# Altium PCB 探测器.PcbDoc (part 3 of 4)
Units mil, origin at the board's own origin, x right, y up, seen from the top; angles counter-clockwise.
Board outline 3560.03 x 3943.03 mil, 2 copper layers (Top Layer, Bottom Layer); 122 components, 44 nets, 450 pads, 26 vias.
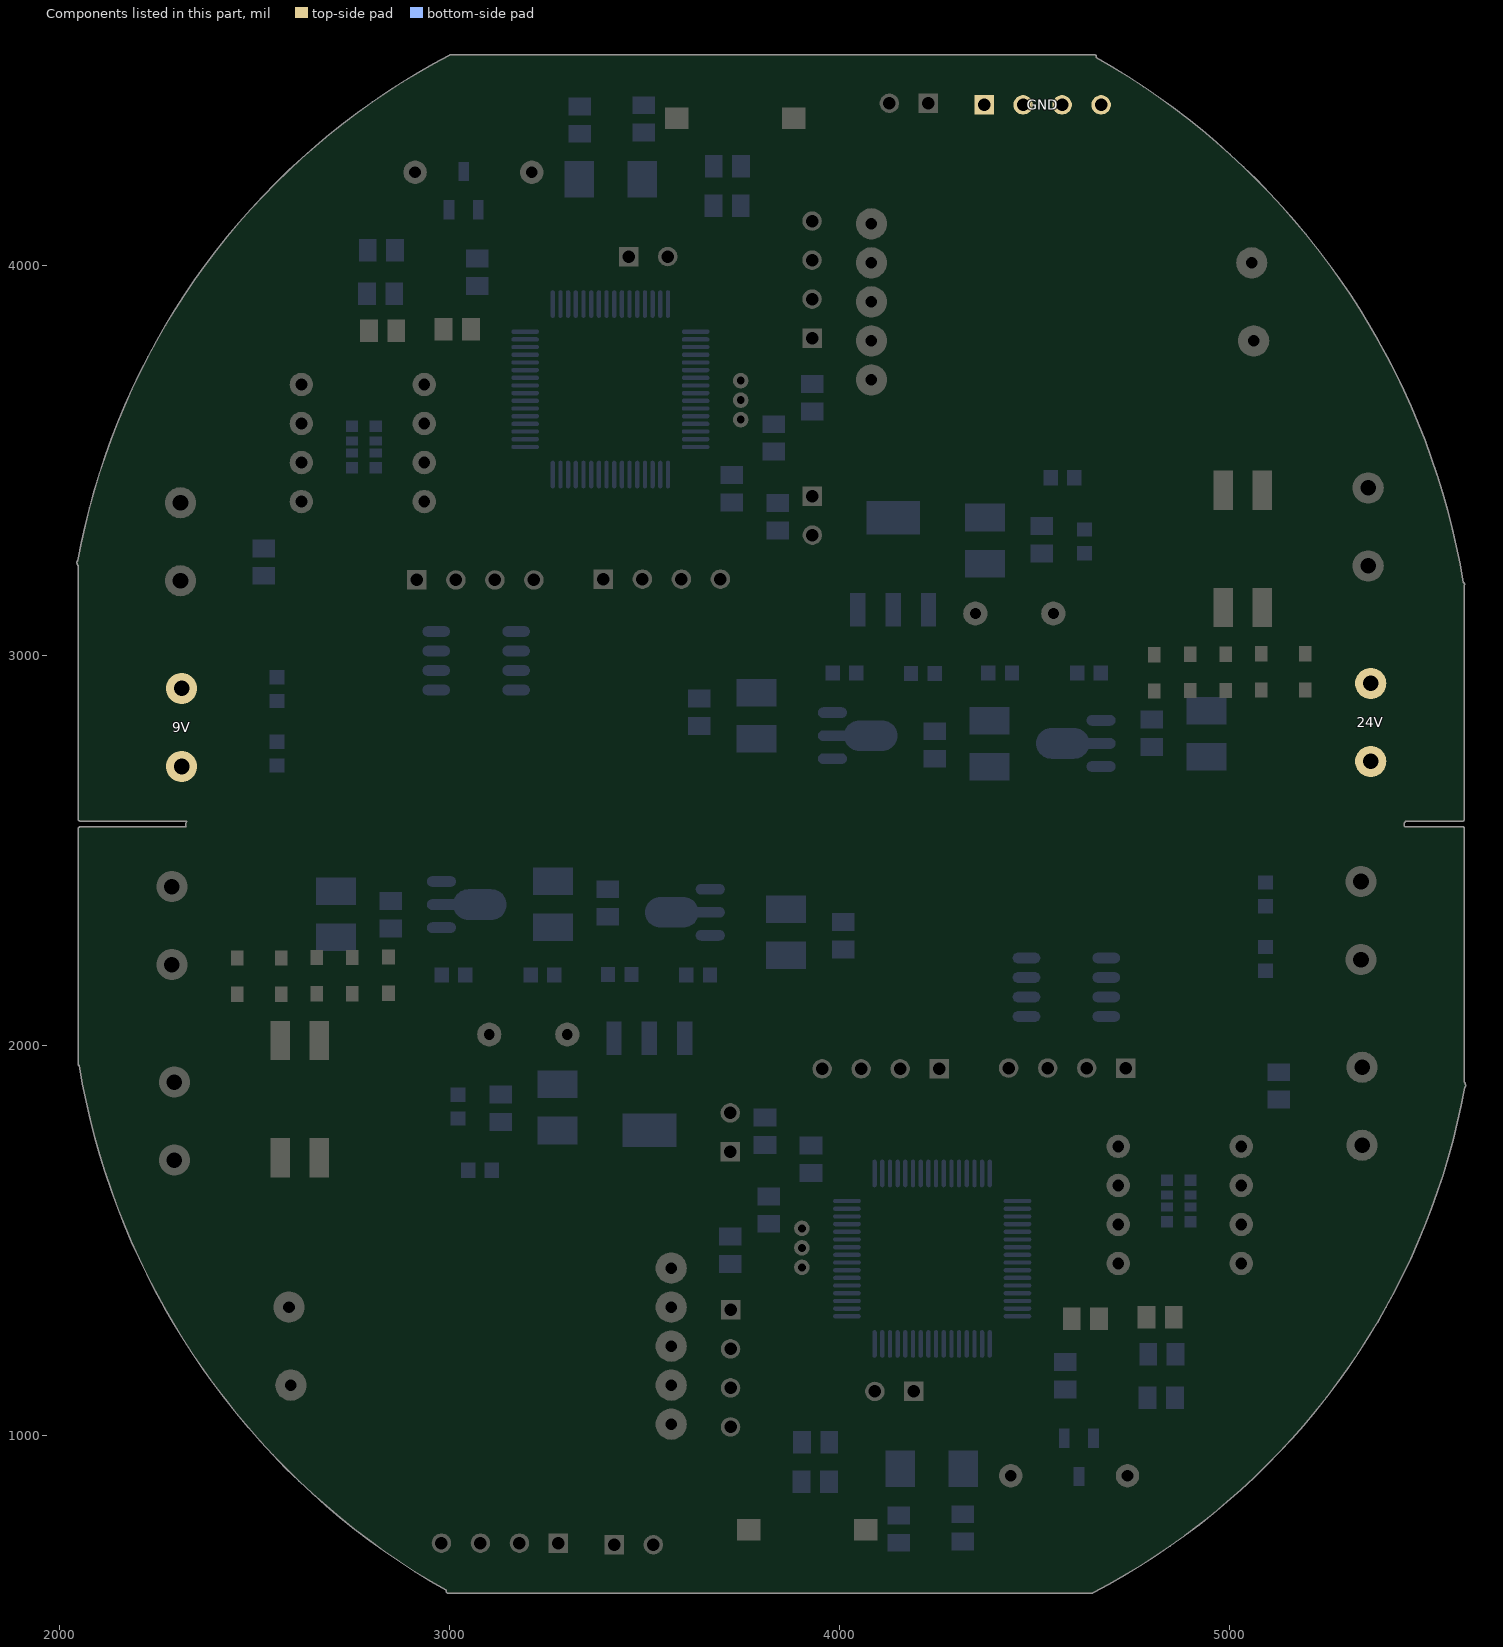
[diagram p3: the components of this part, seen from the top]

## Via types
v1: diameter 15, hole 8, Top Layer to Bottom Layer, 16 vias
v2: diameter 137.8, hole 118.11, Top Layer to Bottom Layer, 6 vias
v3: diameter 50, hole 28, Top Layer to Bottom Layer, 2 vias
v4: diameter 30, hole 15, Top Layer to Bottom Layer, 2 vias

## Nets (pads, with @x,y where several pads share a name; then routed paths per layer and width w, separated by ;. In a path a pad name is that pad's centre, name@x,y a point inside that pad or via, vN(x,y) a via of type N, cw(c..) or ccw(c..) an arc to the next point about the centre after c; other vN are vias at no path point) (continued)
copper on no net: | length 51103.6
  Top Layer w10: 2656.48,2133.54 2660.05,2133.54 ; 3560.48,1330 3563.48,1330 ; 3720.48,1023 3873.48,1023 ; 3720.48,1223 3648.84,1294.64 ; 3890.48,1433 3925.1,1433 3937.48,1433 ; v1(4016.48,1277) 3924.48,1277 ; 4063.48,743 v1(4063.48,762) ; v1(4100.48,1320) 4022.84,1397.64 ; v1@4175.48,1319 4287.98,1319 ; 4255.48,1941 4255.48,1749 ; v1(4357.48,1597) 4290.84,1663.64 ; 3563.48,1330 cw(c3563.48,1209.29) 3568.59,1329.89 ; 3563.48,1330 cw(c3563.48,1209.29) 3568.59,1329.89 ; 3568.59,1329.89 cw(c3563.48,1209.29) 3648.84,1294.64 ; 3568.59,1329.89 cw(c3563.48,1209.29) 3648.84,1294.64 ; 3645.3,1198.18 ccw(c3568.48,1121.36) 3568.48,1230 cw(c3568.48,1121.36) 3645.3,1198.18 ; 3645.3,1198.18 3720.48,1123 3839.12,1241.64 ; 3839.12,1241.64 cw(c3924.48,1156.29) 3924.48,1277 ; 3839.12,1241.64 cw(c3924.48,1156.29) 3924.48,1277 ; 3873.48,1023 ccw(c3873.48,1143.71) 3958.84,1058.36 ; 3873.48,1023 ccw(c3873.48,1143.71) 3958.84,1058.36 ; 3937.48,1433 cw(c3937.48,1312.29) 4022.84,1397.64 ; 3937.48,1433 cw(c3937.48,1312.29) 4022.84,1397.64 ; 3958.84,1058.36 4066.12,1165.64 ; 4066.12,1165.64 ccw(c3980.77,1251) 4101.48,1251 ; 4066.12,1165.64 ccw(c3980.77,1251) 4101.48,1251 ; v1(4095.48,1559) cw(c4080.99,1544.51) 4101.48,1544.51 ; v1(4095.48,1559) cw(c4080.99,1544.51) 4101.48,1544.51 ; v1(4095.48,1559) 4269.48,1559 ; 4101.48,1251 v1@4101.48,1319 ; v1@4101.48,1319 4101.48,1544.51 ; v1@4101.48,1319 v1@4170.65,1319 ; v1@4170.65,1319 cw(c4170.65,1312.17) v1(4175.48,1317) ccw(c4170.65,1312.17) v1@4170.65,1319 ; 4255.48,1749 ccw(c4376.19,1749) 4290.84,1663.64 ; 4255.48,1749 ccw(c4376.19,1749) 4290.84,1663.64 ; 4269.48,1559 ccw(c4269.48,1679.71) 4354.84,1594.36 cw(c4269.48,1679.71) 4269.48,1559 ; 4287.98,1319 ccw(c4287.98,1438.5) v1(4372.48,1354) cw(c4287.98,1438.5) 4287.98,1319 ; v1@4594.96,1300 4594.96,1302 v1@4594.96,1300
  Top Layer w20: 2545.65,2215.17 cw(c2569.05,2191.76) 2555.49,2221.95 ; 3279.48,725 3336.12,781.64 ; 3720.48,1023 3728.12,1015.36 ; 3890.48,1533 3937.41,1533 ; 3890.48,1625 ccw(c3769.77,1625) 3884.09,1663.76 ; 2555.49,2221.95 cw(c2569.05,2191.76) 2569.05,2224.86 ccw(c2569.05,2191.76) 2555.49,2221.95 ; 3336.12,781.64 cw(c3421.48,696.29) 3421.48,817 ; 3336.12,781.64 cw(c3421.48,696.29) 3421.48,817 ; 3421.48,817 3502.48,817 ; 3502.48,817 cw(c3502.48,696.29) 3518.56,815.92 ; 3502.48,817 cw(c3502.48,696.29) 3518.56,815.92 ; 3518.56,815.92 cw(c3502.48,696.29) 3587.84,781.64 ; 3518.56,815.92 cw(c3502.48,696.29) 3587.84,781.64 ; 3587.84,781.64 3590.12,779.36 ; 3590.12,779.36 ccw(c3675.48,864.71) 3675.48,744 ; 3590.12,779.36 ccw(c3675.48,864.71) 3675.48,744 ; 3675.48,744 3678.48,744 ; 3678.48,744 ccw(c3680.89,746.41) 3680.89,743 ; 3678.48,744 ccw(c3680.89,746.41) 3679.67,743.23 ccw(c3680.89,746.41) 3680.89,743 ; 3680.89,743 3763.48,743 3763.48,930 ; 3728.12,1015.36 cw(c3642.77,930) 3763.48,930 ; 3728.12,1015.36 cw(c3642.77,930) 3763.48,930 ; 3749.95,1815.53 ccw(c3719.85,1785.43) 3719.85,1828 cw(c3719.85,1785.43) 3749.95,1815.53 ; 3749.95,1815.53 3855.12,1710.36 ; 3855.12,1710.36 cw(c3769.77,1625) 3884.09,1663.76 ; 3855.12,1710.36 cw(c3769.77,1625) 3884.09,1663.76 ; 3937.41,1533 cw(c3937.41,1515.93) 3949.48,1528 ; 3937.41,1533 cw(c3937.41,1515.93) 3949.48,1528 ; 3949.48,1528 cw(c3920.51,1499.03) 3953.48,1523.35 ; 3949.48,1528 cw(c3920.51,1499.03) 3953.48,1523.35 ; 3953.48,1523.35 cw(c3920.51,1499.03) 3961.48,1499.03 3961.48,1458.07 ; 3956.48,1446 ccw(c3944.41,1458.07) 3961.48,1458.07 ; 3956.48,1446 ccw(c3944.41,1458.07) 3961.48,1458.07 ; 3956.48,1446 cw(c3925.1,1477.38) 3925.1,1433 ccw(c3925.1,1477.38) 3956.48,1446
  Top Layer w30: 2288.48,2408 2575.64,2408 ; 2449.48,2224.86 2456.05,2224.86 ; 2455.48,2016 2455.48,2018.05 ; 2566.48,2013 2566.48,2125.74 ; 2582.48,1323 2582.48,1674.37 ; 2660.05,2353.9 ccw(c2627.38,2353.9) 2660.01,2355.47 ; 2666.48,2013 2725.61,2072.13 ; 2843.48,2134.54 2843.48,2021.41 ; 2843.48,2227.46 cw(c2839.9,2227.46) 2842.43,2224.93 2751.05,2133.54 ; 2979.48,725 3079.48,725 3179.48,725 3279.48,725 ; 3102.05,2029 2904.48,2029 ; v4(3602.48,2018) 3602.48,1512.09 ; v4@3603.03,2019.55 3830.93,2019.55 ; v3(3719.48,1512) ccw(c3719.28,1511.8) 3719.28,1512.08 3602.48,1512.08 ; 3720.48,1323 3645.3,1398.18 ccw(c3568.48,1321.36) 3568.48,1430 ccw(c3486.4,1512.08) 3602.48,1512.08 ; 4738.09,898 4691.48,898 ; 2309.49,1713 ccw(c2309.49,1692.51) 2295,1707 cw(c2309.49,1692.51) 2309.49,1713 ; 2309.49,1713 2566.48,1713 ; 2455.48,2018.05 cw(c2457.43,2018.05) 2456.05,2019.43 ; 2455.48,2018.07 cw(c2457.43,2018.05) 2456.05,2019.43 ; 2456.05,2019.43 ccw(c2576.76,2019.43) 2491.41,1934.07 ; 2456.05,2019.43 ccw(c2576.76,2019.43) 2491.41,1934.07 ; 2456.05,2019.43 2456.05,2131.95 2534.76,2210.66 ; 2491.41,1934.07 ccw(c2547.11,1989.78) 2547.11,1911 ; 2491.41,1934.07 ccw(c2547.11,1989.78) 2547.11,1911 ; 2534.76,2210.66 cw(c2569.05,2176.37) 2569.05,2224.86 ccw(c2569.05,2176.37) 2534.76,2210.66 ; 2547.11,1911 2686.48,1911 ; 2566.48,1713 cw(c2527.85,1674.37) 2582.48,1674.37 ; 2566.48,1713 cw(c2527.85,1674.37) 2582.48,1674.37 ; 2566.48,2125.74 cw(c2575.25,2125.74) 2569.05,2131.95 ; 2566.48,2125.74 cw(c2575.25,2125.74) 2569.05,2131.95 ; 2569.05,2131.95 2652.62,2131.95 ; 2575.64,2408 cw(c2575.64,2302.16) 2615.12,2400.36 ; 2575.64,2408 cw(c2575.64,2302.16) 2615.12,2400.36 ; 2615.12,2400.36 cw(c2575.64,2302.16) 2650.48,2377 ; 2615.12,2400.36 cw(c2575.64,2302.16) 2650.48,2377 ; 2650.48,2377 cw(c2627.38,2353.9) 2660.01,2355.47 ; 2650.48,2377 cw(c2627.38,2353.9) 2660.01,2355.47 ; 2652.62,2131.95 ccw(c2652.62,2137.4) 2656.48,2133.54 cw(c2652.62,2137.4) 2652.62,2131.95 ; 2686.48,1911 ccw(c2686.48,2031.71) 2697.44,1911.5 ; 2686.48,1911 ccw(c2686.48,2031.71) 2697.44,1911.5 ; 2697.44,1911.5 ccw(c2686.48,2031.71) 2771.84,1946.36 ; 2697.44,1911.5 ccw(c2686.48,2031.71) 2771.84,1946.36 ; 2725.61,2072.13 ccw(c2664.2,2133.54) 2751.05,2133.54 ; 2725.61,2072.13 ccw(c2664.2,2133.54) 2751.05,2133.54 ; 2771.84,1946.36 2819.12,1993.64 ; 2819.12,1993.64 cw(c2904.48,1908.29) 2904.48,2029 ; 2819.12,1993.64 cw(c2904.48,1908.29) 2904.48,2029 ; 2843.48,2021.41 ccw(c2846.89,2021.41) 2844.48,2019 cw(c2846.89,2021.41) 2843.48,2021.41 ; 3830.93,2019.55 cw(c3830.93,1898.84) 3916.28,1984.2 ; 3830.93,2019.55 cw(c3830.93,1898.84) 3916.28,1984.2 ; 3916.28,1984.2 3957.48,1943 3984.12,1969.64 ; 3984.12,1969.64 cw(c4069.48,1884.29) 3994.64,1979 ; 3984.12,1969.64 cw(c4069.48,1884.29) 3994.64,1979 ; 3994.64,1979 cw(c4069.48,1884.29) 4069.48,2005 ; 3994.64,1979 cw(c4069.48,1884.29) 4069.48,2005 ; 4069.48,2005 4337.48,2005 ; 4337.48,2005 cw(c4337.48,1922.92) 4395.52,1980.96 ; 4337.48,2005 cw(c4337.48,1922.92) 4395.52,1980.96 ; 4395.52,1980.96 4433.48,1943 4438.12,1938.36 ; 4438.12,1938.36 cw(c4352.77,1853) 4473.48,1853 ; 4438.12,1938.36 cw(c4352.77,1853) 4473.48,1853 ; 4473.48,1116 ccw(c4594.19,1116) 4508.84,1030.64 ; 4473.48,1116 ccw(c4594.19,1116) 4508.84,1030.64 ; 4473.48,1116 4473.48,1853 ; 4508.84,1030.64 4606.12,933.36 ; 4606.12,933.36 ccw(c4691.48,1018.71) 4691.48,898 ; 4606.12,933.36 ccw(c4691.48,1018.71) 4691.48,898 ; 2664.48,1734.66 cw(c2548.18,1713) 2666.48,1713 ccw(c2548.18,1713) 2664.48,1734.66
  Top Layer w40: 2295,1907 2319.64,1882.36 ccw(c2405,1967.71) 2405,1847 2595.71,1847 cw(c2595.71,1758.23) 2658.48,1821 cw(c2643.99,1806.51) 2664.48,1806.51 2664.48,1734.66 2664.48,1436.18 ; 2593.48,1130 2654.12,1190.64 ccw(c2568.77,1276) 2689.48,1276 2689.48,1358.86 ccw(c2655.34,1358.86) 2679.48,1383 cw(c2710.86,1414.38) 2666.48,1414.38 2666.48,1454 ; 3422.48,721 3522.48,721 ; 3433.48,831 3433.48,1071.36 ; 3568.48,1130 3528.48,1130 ; 4665.48,1302 4780.09,1302 ; 4856.52,1304.63 4918.11,1304.63 ; 5029.48,1442 5029.48,1402.79 ; 3433.48,1071.36 cw(c3466.41,1071.36) 3443.12,1094.64 ; 3433.48,1071.36 cw(c3466.41,1071.36) 3443.12,1094.64 ; 3443.12,1094.64 cw(c3528.48,1009.29) 3528.48,1130 ; 3443.12,1094.64 cw(c3528.48,1009.29) 3528.48,1130 ; 4780.09,1302 ccw(c4780.09,1310.98) 4786.44,1304.63 cw(c4780.09,1310.98) 4780.09,1302 ; 4918.11,1304.63 ccw(c4918.11,1425.34) 5003.47,1339.99 ; 4918.11,1304.63 ccw(c4918.11,1425.34) 5003.47,1339.99 ; 5003.47,1339.99 ccw(c4940.66,1402.79) 5029.48,1402.79 ; 5003.47,1339.99 ccw(c4940.66,1402.79) 5029.48,1402.79
  Top Layer w50: 2288.48,2208 cw(c2346.42,2150.06) 2346.42,2232 2449.48,2232
  Bottom Layer w10: 2979.48,2297 2979.48,2302.94 ; 2983.42,2362 3077.91,2362 ; 3527.48,721 3522.48,721 3597.12,795.64 ; 3552.51,2342 3570.05,2342 3664.54,2342 ; v4@3603.03,2018 v4@3603.03,2019.55 ; 3668.48,2275 3668.48,2282.94 ; 3719.48,1440.96 3798.44,1440.96 ; 3720.48,1223 4083.65,1223 ; 3818.86,1543.96 3831.98,1557.08 ; 3818.86,1614.04 3885.61,1614.04 ; 3903.44,984 3903.44,1008.96 ; 3926.85,1744.04 4147.48,1744.04 4168.58,1722.94 4168.58,1672.76 ; 3937.48,1563 3938.94,1561.54 cw(c3930.41,1553) 3942.48,1553 3942.48,1547.9 ; 3972.44,984 3972.44,934 3972.52,933.92 ; v1(4016.48,1277) 4016.48,1300.59 ; 4018.98,1326.3 4085.28,1326.3 ; 4018.98,1345.98 4145.03,1345.98 ; 4018.98,1405.04 3959.72,1405.04 ccw(c3959.72,1370.76) 3959.52,1405.04 ccw(c3959.72,1370.76) 3935.48,1395 ; 4018.98,1483.78 3892.36,1483.78 ; 4018.98,1523.15 3968.43,1523.15 ; 4055.48,1941 4267.01,1729.47 4267.01,1672.76 ; v1(4063.48,762) 3993.05,832.43 ; 4155.48,1941 4286.69,1809.79 4286.69,1672.76 ; 4168.58,1235.75 4168.58,1300.35 ; 4190.48,1114 4226.74,1150.26 ; 4247.32,1235.75 4247.32,1189.03 ; 4267.01,1235.75 4267.01,1069.09 ; 4286.69,1235.75 4286.69,1056.21 ; 4306.38,1235.75 4306.38,941.72 ; 4306.38,1672.76 4306.38,2073.9 ; 4326.06,1672.76 4326.06,1752 4478.48,1904.42 4478.48,2075 4479.12,2075 ; 4345.75,1672.76 4345.75,1721 4533.48,1908.73 4533.48,1943 ; v1(4357.48,1597) 4364.26,1603.78 4364.26,1671.42 4365.48,1672.64 ccw(c4365.32,1672.64) 4365.43,1672.76 ; v1(4372.48,1354) ccw(c4439.36,1420.88) 4439.36,1326.3 ; 4433.46,1943.02 cw(c4505.91,2015.43) 4407.48,1987.08 ; 4455.98,1306.61 4416.03,1306.61 ; 4455.98,1345.98 4546.38,1345.98 ; 4455.98,1365.67 4559.48,1365.67 ; 4455.98,1385.35 4648.13,1385.35 ; 4455.98,1405.04 4627.52,1405.04 ; 4455.98,1424.72 4547.2,1424.72 ; 4455.98,1444.41 4474.89,1444.41 ; 4455.98,1464.09 4481.42,1464.09 ; 4455.98,1601.89 4526.07,1601.89 ; 4479.12,2175 4438.04,2175 ; 4479.12,2225 4457.48,2225 ; 4548.76,1424.72 4547.2,1424.72 ; 4556.48,2125 4575.24,2106.24 ; 4578.48,1189.04 4578.48,1316.69 ; v1(4599.48,1302) 4599.48,1335.1 ccw(c4575.58,1335.1) 4592.48,1352 ; 4629.48,2075 4650.63,2075 ; 4633.48,1943 4633.48,1745 ; 4791.44,1208.99 4791.44,1242.04 ; 4839.16,1586.25 4808.73,1586.25 ; 4839.16,1617.75 4773.03,1617.75 ; 4839.16,1655.15 4779.07,1715.25 ; 4861.52,1155 4861.52,1208.99 ; 4899.79,1548.85 4899.79,1586.25 4899.79,1617.75 4899.79,1655.15 4720.68,1834.27 cw(c4798.41,1912) 4688.48,1912 4688.48,1936.72 ccw(c4620.2,1936.72) 4668.48,1985 ccw(c4646.75,1963.27) 4646.75,1994 4627.86,1994 ccw(c4627.86,1949.62) 4596.48,1981 ccw(c4630.28,1947.2) 4582.48,1947.2 cw(c4463.7,1947.2) 4547.69,1863.21 4404.83,1720.35 ccw(c4452.43,1672.76) 4385.12,1672.76 4385.12,1485.99 ; 5091.48,2253.32 5091.48,2357.69 ; 5091.48,2418.32 5212.48,2418.32 5215.16,2421 ; 3597.12,795.64 ccw(c3511.77,881) 3632.48,881 ; 3597.12,795.64 ccw(c3511.77,881) 3632.48,881 ; 3632.48,881 3632.48,1290.2 ; 3632.48,1290.2 cw(c3680.28,1290.2) 3646.48,1324 ; 3632.48,1290.2 cw(c3680.28,1290.2) 3646.48,1324 ; 3646.48,1324 3667.12,1344.64 ; 3667.12,1344.64 cw(c3752.48,1259.29) 3694.2,1365 ; 3667.12,1344.64 cw(c3752.48,1259.29) 3694.2,1365 ; 3694.2,1365 cw(c3752.48,1259.29) 3752.48,1380 ; 3694.2,1365 cw(c3752.48,1259.29) 3752.48,1380 ; 3752.48,1380 3899.27,1380 ; 3798.44,1440.96 ccw(c3798.44,1561.67) 3883.8,1476.32 ; 3798.44,1440.96 ccw(c3798.44,1561.67) 3883.8,1476.32 ; 3831.98,1557.08 cw(c3882.48,1506.59) 3864.91,1575.8 ; 3831.98,1557.08 cw(c3882.48,1506.59) 3864.91,1575.8 ; 3864.91,1575.8 cw(c3882.48,1506.59) 3882.48,1578 ; 3864.91,1575.8 cw(c3882.48,1506.59) 3882.48,1578 ; 3882.48,1578 3901.27,1578 ; 3883.8,1476.32 3890.48,1483 ; 3885.61,1614.04 cw(c3885.61,1525.13) 3948.48,1588 ; 3885.61,1614.04 cw(c3885.61,1525.13) 3948.48,1588 ; 3890.48,1483 cw(c3892.36,1481.12) 3892.36,1483.78 ; 3890.48,1483 cw(c3892.36,1481.12) 3892.36,1483.78 ; 3899.27,1380 ccw(c3899.27,1431.21) 3935.48,1395 ; 3899.27,1380 ccw(c3899.27,1431.21) 3935.48,1395 ; 3901.27,1578 cw(c3901.27,1526.79) 3916.9,1575.56 ; 3901.27,1578 cw(c3901.27,1526.79) 3916.9,1575.56 ; 3903.44,1008.96 cw(c4024.15,1008.96) 3938.8,1094.32 ; 3903.44,1008.96 cw(c4024.15,1008.96) 3938.8,1094.32 ; 3916.9,1575.56 cw(c3901.27,1526.79) 3937.47,1563.01 ccw(c3901.27,1526.79) 3916.9,1575.56 ; 3938.8,1094.32 3970.12,1125.64 ; 3942.48,1547.9 ccw(c3966.38,1547.9) 3949.48,1531 ; 3942.48,1547.9 ccw(c3966.38,1547.9) 3949.48,1531 ; 3948.48,1588 ccw(c3962.47,1601.99) 3962.47,1582.2 ; 3948.48,1588 ccw(c3962.47,1601.99) 3962.47,1582.2 ; 3949.48,1531 ccw(c3968.43,1549.95) 3968.43,1523.15 ; 3949.48,1531 ccw(c3968.43,1549.95) 3968.43,1523.15 ; 3961.09,1659.78 ccw(c3926.85,1625.54) 3926.85,1673.96 cw(c3926.85,1625.54) 3961.09,1659.78 ; 3961.09,1659.78 4018.98,1601.89 4092.12,1601.89 ; 3962.47,1582.2 4018.98,1582.2 4039.46,1582.2 ; 3970.12,1125.64 cw(c4055.48,1040.29) 4055.48,1161 ; 3970.12,1125.64 cw(c4055.48,1040.29) 4055.48,1161 ; 3972.52,882 cw(c3972.71,882.19) 3972.44,882.19 ccw(c3972.71,882.19) 3972.52,882 ; 3972.52,882 ccw(c4042.63,882) 3993.05,832.43 ; 3972.52,882 ccw(c4042.63,882) 3993.05,832.43 ; 3972.52,882 3972.52,933.92 ; 3972.52,933.92 3972.52,984 ; 3972.52,984 cw(c4044.95,911.57) 3973.53,985 ; 3972.52,984 cw(c4044.95,911.57) 3973.53,985 ; 3973.53,985 cw(c4044.95,911.57) 4044.95,1014 ; 3973.53,985 cw(c4044.95,911.57) 4044.95,1014 ; 4016.48,1300.59 cw(c4025,1300.59) 4018.98,1306.61 ccw(c4025,1300.59) 4016.48,1300.59 ; 4039.46,1582.2 cw(c4039.46,1502.98) v1(4095.48,1559) ccw(c4039.46,1502.98) 4039.46,1582.2 ; 4044.95,1014 4173.48,1014 ; 4055.48,1161 4102.85,1161 ; 4083.65,1223 cw(c4083.65,1216.17) 4088.48,1221 ccw(c4083.65,1216.17) 4083.65,1223 ; 4085.28,1326.3 cw(c4085.28,1304.8) v1(4100.48,1320) ccw(c4085.28,1304.8) 4085.28,1326.3 ; 4092.12,1601.89 cw(c4092.12,1547.64) 4130.48,1586 ; 4092.12,1601.89 cw(c4092.12,1547.64) 4130.48,1586 ; 4102.85,1161 ccw(c4102.85,1215.63) 4141.48,1177 ; 4102.85,1161 ccw(c4102.85,1215.63) 4141.48,1177 ; 4130.48,1586 cw(c4086.01,1541.54) 4148.9,1541.54 4148.9,1347 ; 4141.48,1177 ccw(c4123.57,1194.91) 4148.9,1194.91 ; 4141.48,1177 ccw(c4123.57,1194.91) 4148.9,1194.91 ; 4145.03,1345.98 ccw(c4145.03,1349.45) 4147.48,1347 ; 4145.03,1345.98 ccw(c4145.03,1349.45) 4147.48,1347 ; 4147.48,1347 4148.9,1347 ; 4148.9,1194.91 4148.9,1235.75 4148.9,1347 ; 4148.9,1347 4296.12,1347 ; 4168.58,1300.35 cw(c4192.13,1300.35) v1(4175.48,1317) ccw(c4192.13,1300.35) 4168.58,1300.35 ; 4173.48,1014 ccw(c4173.48,1134.71) 4241.52,1035 ; 4173.48,1014 ccw(c4173.48,1134.71) 4241.52,1035 ; 4224.62,944.14 cw(c4155.77,1012.99) 4155.77,915.62 ccw(c4155.77,1012.99) 4224.62,944.14 ; 4224.62,944.14 4251.34,970.86 ; 4226.74,1150.26 ccw(c4173.77,1203.23) 4247.32,1189.03 ; 4226.74,1150.26 ccw(c4173.77,1203.23) 4247.32,1189.03 ; 4241.52,1035 ccw(c4173.48,1134.71) 4258.84,1049.36 ; 4241.52,1035 ccw(c4173.48,1134.71) 4258.84,1049.36 ; 4247.32,1189.03 ccw(c4173.77,1203.23) 4248.68,1203.23 cw(c4173.77,1203.23) 4247.32,1189.03 ; 4251.34,970.86 ccw(c4165.98,1056.21) 4286.69,1056.21 ; 4251.34,970.86 ccw(c4165.98,1056.21) 4286.69,1056.21 ; 4258.84,1049.36 ccw(c4239.1,1069.09) 4267.01,1069.09 ; 4258.84,1049.36 ccw(c4239.1,1069.09) 4267.01,1069.09 ; 4296.12,1347 cw(c4296.12,1261.64) 4356.48,1322 ; 4296.12,1347 cw(c4296.12,1261.64) 4356.48,1322 ; 4296.12,1347 4349.76,1400.64 ; 4306.38,941.72 ccw(c4343.29,941.72) 4317.19,915.62 cw(c4343.29,941.72) 4306.38,941.72 ; 4306.38,2073.9 cw(c4427.09,2073.9) 4341.73,2159.25 ; 4306.38,2073.9 cw(c4427.09,2073.9) 4341.73,2159.25 ; 4341.73,2159.25 4372.12,2189.64 ; 4349.76,1400.64 ccw(c4264.41,1485.99) 4385.12,1485.99 ; 4349.76,1400.64 ccw(c4264.41,1485.99) 4385.12,1485.99 ; 4356.48,1322 cw(c4287.34,1252.86) 4384.89,1259.59 cw(c4287.34,1252.86) 4385.12,1252.86 4385.12,1259.08 ; 4372.12,2189.64 cw(c4457.48,2104.29) 4457.48,2225 ; 4372.12,2189.64 cw(c4457.48,2104.29) 4457.48,2225 ; 4385.12,1259.08 cw(c4444.4,1259.08) 4402.48,1301 ; 4385.12,1259.08 cw(c4444.4,1259.08) 4402.48,1301 ; 4402.48,1301 cw(c4416.03,1287.45) 4416.03,1306.61 ; 4402.48,1301 cw(c4416.03,1287.45) 4416.03,1306.61 ; 4403.48,2015.43 ccw(c4505.91,2015.43) 4407.48,1987.08 ; 4403.48,2015.43 ccw(c4505.91,2015.43) 4407.48,1987.08 ; 4403.48,2015.43 4403.48,2144.69 ; 4403.48,2144.69 cw(c4430.79,2144.69) 4411.48,2164 ; 4403.48,2144.69 cw(c4430.79,2144.69) 4411.48,2164 ; 4411.48,2164 cw(c4438.04,2137.44) 4425.23,2172.75 ; 4425.23,2172.75 cw(c4438.04,2137.44) 4438.04,2175 ; 4425.23,2172.75 cw(c4438.04,2137.44) 4438.04,2175 ; 4474.89,1444.41 ccw(c4474.89,1565.12) 4530.42,1457.94 ; 4474.89,1444.41 ccw(c4474.89,1565.12) 4530.42,1457.94 ; 4481.42,1464.09 ccw(c4481.42,1532.06) 4529.48,1484 ; 4481.42,1464.09 ccw(c4481.42,1532.06) 4529.48,1484 ; 4526.07,1601.89 ccw(c4526.07,1636.41) 4550.48,1612 ; 4526.07,1601.89 ccw(c4526.07,1636.41) 4550.48,1612 ; 4529.48,1484 4621.12,1575.64 ; 4530.42,1457.94 ccw(c4474.89,1565.12) 4560.25,1479.77 ; 4530.42,1457.94 ccw(c4474.89,1565.12) 4560.25,1479.77 ; 4546.38,1345.98 cw(c4546.38,1311.9) 4570.48,1336 ; 4546.38,1345.98 cw(c4546.38,1311.9) 4570.48,1336 ; 4547.2,1424.72 ccw(c4547.2,1545.43) 4548.75,1424.73 ; 4547.2,1424.72 ccw(c4547.2,1545.43) 4548.75,1424.73 ; 4548.75,1424.73 ccw(c4547.2,1545.43) 4632.56,1460.08 ; 4548.76,1424.73 ccw(c4547.2,1545.43) 4632.56,1460.08 ; 4550.48,1612 4598.12,1659.64 ; 4559.48,1365.67 cw(c4559.48,1319) 4592.48,1352 ; 4559.48,1365.67 cw(c4559.48,1319) 4592.48,1352 ; 4560.25,1479.77 4708.82,1628.34 ; 4570.48,1336 cw(c4551.17,1316.69) 4578.48,1316.69 ; 4570.48,1336 cw(c4551.17,1316.69) 4578.48,1316.69 ; 4598.12,1659.64 ccw(c4512.77,1745) 4633.48,1745 ; 4598.12,1659.64 ccw(c4512.77,1745) 4633.48,1745 ; 4621.12,1575.64 ccw(c4535.77,1661) 4656.48,1661 ; 4621.12,1575.64 ccw(c4535.77,1661) 4656.48,1661 ; 4627.52,1405.04 ccw(c4627.52,1525.75) 4712.88,1440.4 ; 4627.52,1405.04 ccw(c4627.52,1525.75) 4712.88,1440.4 ; 4632.56,1460.08 4714.48,1542 4723.38,1550.9 ; 4648.13,1385.35 cw(c4648.13,1264.64) 4733.48,1350 ; 4648.13,1385.35 cw(c4648.13,1264.64) 4733.48,1350 ; 4656.48,1661 cw(c4712.01,1661) 4672.74,1700.26 ; 4656.48,1661 cw(c4712.01,1661) 4672.74,1700.26 ; 4672.74,1700.26 4714.48,1742 ; 4708.82,1628.34 ccw(c4695.17,1642) 4714.48,1642 ; 4708.82,1628.34 ccw(c4695.17,1642) 4714.48,1642 ; 4712.88,1440.4 4714.48,1442 4808.72,1536.24 ; 4714.5,1641.98 ccw(c4773.03,1700.55) 4773.03,1617.75 ; 4714.5,1641.98 ccw(c4773.03,1700.55) 4773.03,1617.75 ; 4714.48,1742 cw(c4714.48,1650.66) 4779.07,1715.25 ; 4714.48,1742 cw(c4714.48,1650.66) 4779.07,1715.25 ; 4723.38,1550.9 cw(c4808.73,1465.54) 4808.73,1586.25 ; 4723.38,1550.9 cw(c4808.73,1465.54) 4808.73,1586.25 ; 4733.48,1350 4756.08,1327.4 ; 4756.08,1327.4 cw(c4670.73,1242.04) 4791.44,1242.04 ; 4756.08,1327.4 cw(c4670.73,1242.04) 4791.44,1242.04 ; 4808.72,1536.24 cw(c4839.16,1505.8) 4839.16,1548.85 ccw(c4839.16,1505.8) 4808.72,1536.24
  Bottom Layer w20: 3512.48,1783.33 3586.49,1709.32 ; 3926.85,1673.96 3671.85,1673.96 ; 4009.48,2317.04 4435.51,2317.04 ; 4479.12,2125 4556.48,2125 ; 4650.88,994.2 cw(c4702.06,994.2) 4665.87,1030.39 4698.12,1062.64 ; 4683.84,2125 4763.48,2125 ; 4683.84,2175 4832.52,2175 ; 4789.44,1098 4783.48,1098 ; 5029.48,1742 4863.84,1907.64 ; 5330.21,1944.99 ccw(c5287.05,2010.43) 5342.48,1955 ; 5339.48,1744.99 ccw(c5228.4,1744.99) 5306.95,1823.53 5297.48,1833 ; 3586.49,1709.32 ccw(c3671.85,1794.67) 3671.85,1673.96 ; 3586.49,1709.32 ccw(c3671.85,1794.67) 3671.85,1673.96 ; 4435.51,2317.04 cw(c4435.51,2196.33) 4520.86,2281.68 ; 4435.51,2317.04 cw(c4435.51,2196.33) 4520.86,2281.68 ; 4520.86,2281.68 4532.12,2270.42 cw(c4446.77,2185.07) 4567.48,2185.07 4567.48,2125 ; 4567.48,2125 ccw(c4594.04,2125) 4575.24,2106.24 cw(c4594.04,2125) 4567.48,2125 ; 4650.63,2075 cw(c4650.63,2181.6) 4575.26,2106.22 ccw(c4650.63,2181.6) 4650.63,2075 ; 4650.63,2075 4683.84,2075 4727.07,2075 ; 4698.12,1062.64 cw(c4783.48,977.29) 4783.48,1098 ; 4698.12,1062.64 cw(c4783.48,977.29) 4783.48,1098 ; 4727.07,2075 cw(c4727.07,2071.59) 4729.48,2074 ; 4727.07,2075 cw(c4727.07,2071.59) 4729.48,2074 ; 4729.48,2074 cw(c4719.82,2064.34) 4733.48,2064.34 ; 4729.48,2074 cw(c4719.82,2064.34) 4733.48,2064.34 ; 4733.48,2064.34 4733.48,1943 4778.48,1943 ; 4763.48,2125 cw(c4763.48,2004.29) 4848.84,2089.64 ; 4763.48,2125 cw(c4763.48,2004.29) 4848.84,2089.64 ; 4778.48,1943 cw(c4778.48,1822.29) 4863.84,1907.64 ; 4778.48,1943 cw(c4778.48,1822.29) 4863.84,1907.64 ; 4832.52,2175 cw(c4832.52,2054.29) 4917.88,2139.64 ; 4832.52,2175 cw(c4832.52,2054.29) 4917.88,2139.64 ; 4848.84,2089.64 5041.9,1896.58 ; 4917.88,2139.64 5125.48,1932.04 5308.22,1932.04 ; 5041.9,1896.58 ccw(c5125.48,1980.16) 5125.48,1861.96 ; 5041.9,1896.58 ccw(c5125.48,1980.16) 5125.48,1861.96 ; 5125.48,1861.96 5227.56,1861.96 ; 5227.56,1861.96 cw(c5227.56,1763.08) 5297.48,1833 ; 5227.56,1861.96 cw(c5227.56,1763.08) 5297.48,1833 ; 5308.22,1932.04 ccw(c5308.22,1976.25) 5339.48,1944.99 cw(c5308.22,1976.25) 5308.22,1932.04